# Altium PCB DC-DC_Conv.PcbDoc (part 1 of 3) (continued)
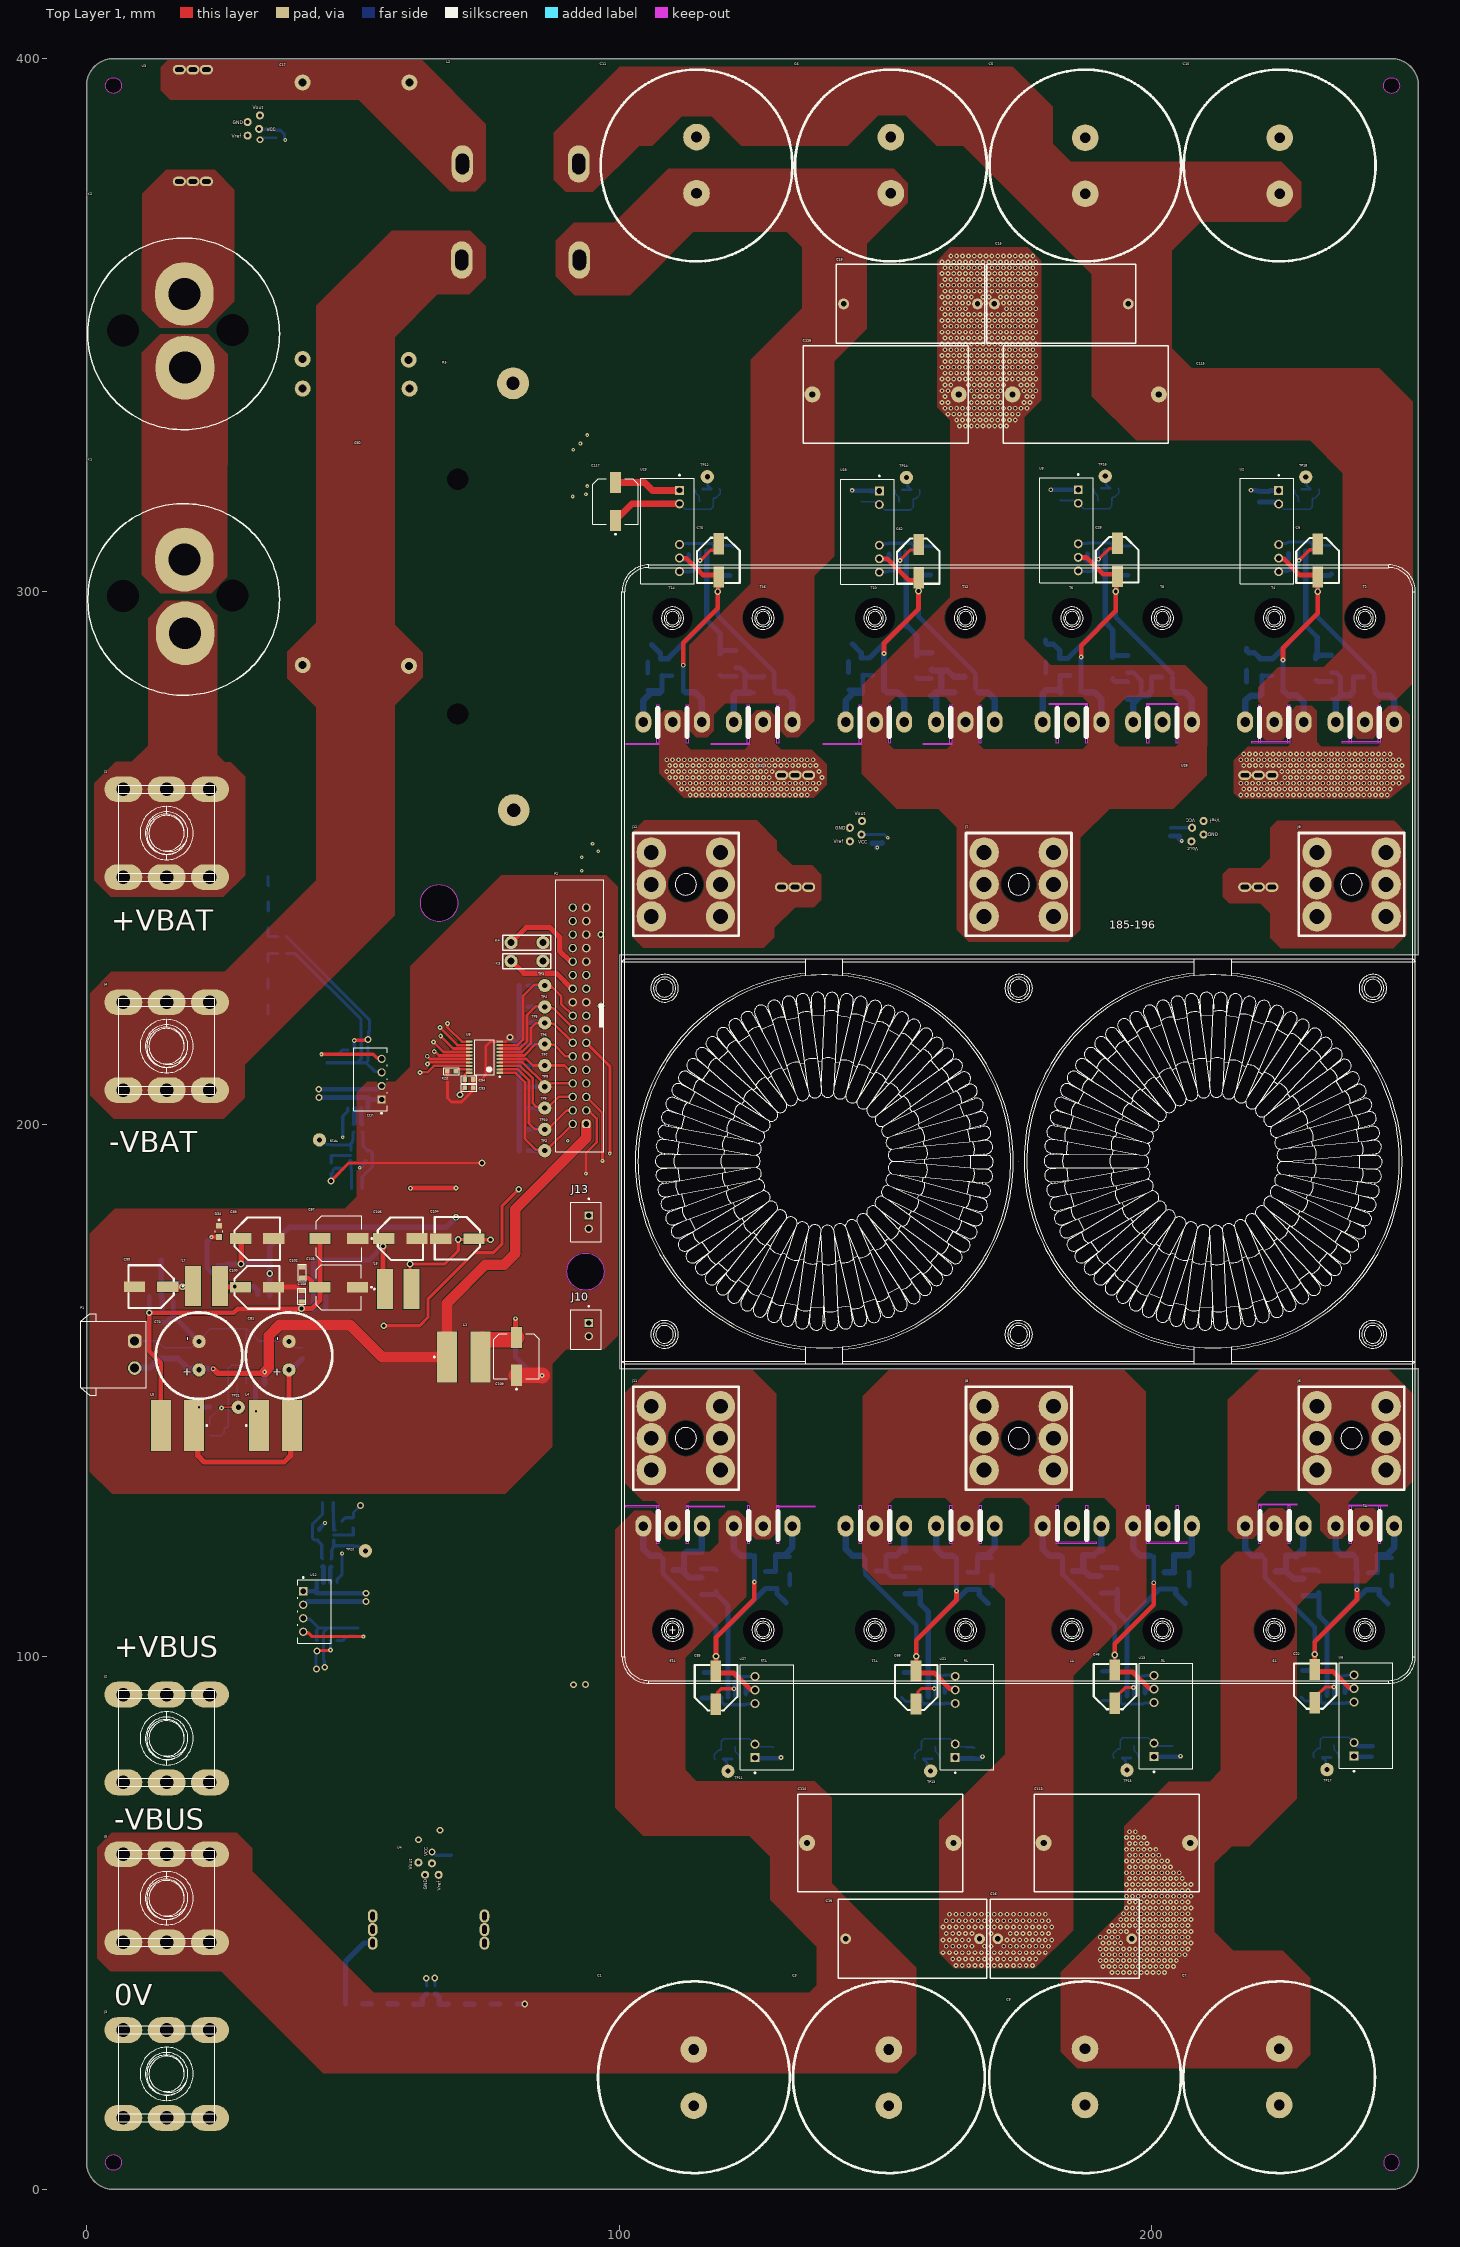
[diagram p0: Top Layer 1 view]
## Components (designator, comment, footprint, x,y, rotation, side; value= is the part's Value field where it differs from the comment)
C1 "550V_470uF" 500V_470uF 114,21 r90 top locked
C2 "0.1uF" CAP-0805 225.625,304.9 r270 bottom
C3 "550V_470uF" 500V_470uF 150.622,21 r90 top locked
C4 "0.01uF" CAP-0805 222.025,317.8 r90 bottom
C5 "550V_470uF" 500V_470uF 187.5,380 r90 top
C6 "550V_470uF" 500V_470uF 151,380 r270 top
C7 "550V_470uF" 500V_470uF 223.901,21 r270 top locked
C8 "550V_470uF" 500V_470uF 187.452,21 r270 top
C9 "100uF_50V" CAP_SMD_Size_E 231.18,305.761 r90 top
C10 "550V_470uF" 500V_470uF 224,380 r90 top
C11 "550V_470uF" 500V_470uF 114.5,380 r270 top locked
C12 "2.2uF" CAP-0805 220.25,317.8 r270 bottom
C13 "16V_47uF" CAP-TAN-C 233.72,306 r90 bottom locked
C14 "0.1uF" CAP-0805 225.65,308.175 r270 bottom
C15 "4.7uF_630V" CAP_4.7uF_630V 183.007,354 r0 top
C16 "4.7uF_630V" CAP_4.7uF_630V 183.642,47 r0 top
C17 "50uF 800V" "Z121578672 77G" 50.55,369.55 r90 top
C18 "4.7uF_630V" CAP_4.7uF_630V 154.686,354 r0 top
C19 "4.7uF_630V" CAP_4.7uF_630V 155.067,47 r0 top
C20 "0.1uF" CAP-0805 236.25,95.45 r90 bottom
C21 "0.01uF" CAP-0805 239.75,82.175 r270 bottom
C22 "100uF_50V" CAP_SMD_Size_E 230.607,94.515 r270 top
C23 "2.2uF" CAP-0805 241.475,82.15 r270 bottom
C24 "16V_47uF" CAP-TAN-C 228.025,95 r270 bottom locked
C25 "0.1uF" CAP-0805 236.25,92.225 r90 bottom
C26 "0.1uF" CAP-0805 187.95,304.675 r270 bottom
C27 "0.01uF" CAP-0805 184.45,318.075 r90 bottom
C28 "100uF_50V" CAP_SMD_Size_E 193.538,305.903 r90 top
C29 "2.2uF" CAP-0805 182.725,318.075 r270 bottom
C30 "16V_47uF" CAP-TAN-C 196.275,306 r90 bottom locked
C31 "0.1uF" CAP-0805 187.925,308.025 r270 bottom
C32 "100nF" CAP-0603 45.135,212.301 r90 bottom
C33 "0.01uF" CAP-0603 46.432,205.776 r90 bottom
C34 "1uF" CAP-0603 46.71,212.301 r90 bottom
C35 "100nF" CAP-0603 50.865,104.582 r270 bottom
C36 "0.01uF" CAP-0603 49.568,111.107 r270 bottom
C37 "1uF" CAP-0603 49.29,104.582 r270 bottom
C38 "2.2uF" CAP-0603 45.035,205.776 r90 bottom
C39 "2.2uF" CAP-0603 50.965,111.107 r270 bottom
C40 "0.01uF" CAP-0603 47.235,198.551 r0 bottom
C41 "0.01uF" CAP-0603 48.765,118.332 r180 bottom
C42 "0.1uF" CAP-0805 198.7,95.425 r90 bottom
C43 "0.01uF" CAP-0805 203.925,82.2 r270 bottom
C44 "2.2uF" CAP-0603 47.235,200.251 r0 bottom
C45 "2.2uF" CAP-0603 48.765,116.632 r180 bottom
C46 "100uF_50V" CAP_SMD_Size_E 193.033,94.415 r270 top
C47 "2.2uF" CAP-0805 202.175,82.2 r90 bottom
C48 "1nF" CAP-0805 50.885,196.801 r180 bottom
C49 "16V_47uF" CAP-TAN-C 190.493,95 r270 bottom locked
C50 "1nF" CAP-0805 45.115,120.082 r0 bottom
C51 "0.1uF" CAP-0805 198.7,92.175 r90 bottom
C52 "10nF" CAP-0805 45.91,191.726 r270 bottom
C53 "10nF" CAP-0805 50.09,125.157 r90 bottom
C54 "4.7nF" CAP-0603 52.285,217.526 r0 bottom
C55 "4.7nF" CAP-0603 43.715,99.357 r180 bottom
C56 "470pF" CAP-0805 45.9,195.05 r90 bottom
C57 "470pF" CAP-0805 50.04,121.807 r270 bottom
C58 "470pF" CAP-0805 50.735,189.701 r0 bottom
C59 "470pF" CAP-0805 45.265,127.182 r180 bottom
C60 "0.1uF" CAP-0805 150.55,304.775 r270 bottom
C61 "0.01uF" CAP-0805 147.1,317.95 r90 bottom
C62 "100uF_50V" CAP_SMD_Size_E 156.195,305.651 r90 top
C63 "2.2uF" CAP-0805 145.375,317.925 r270 bottom
C64 "16V_47uF" CAP-TAN-C 158.735,306 r90 bottom locked
C65 "0.1uF" CAP-0805 150.55,308.075 r270 bottom
C66 "0.1uF" CAP-0805 161.091,95.52 r90 bottom
C67 "0.01uF" CAP-0805 166.6,81.825 r270 bottom
C68 "100uF_50V" CAP_SMD_Size_E 155.702,94.25 r270 top
C69 "2.2uF" CAP-0805 164.875,81.85 r90 bottom
C70 "16V_47uF" CAP-TAN-C 153.025,95 r270 bottom locked
C71 "0.1uF" CAP-0805 161.1,92.25 r90 bottom
C72 "0.1uF" CAP-0805 113.05,304.7 r270 bottom
C73 "0.01uF" CAP-0805 109.6,318.075 r90 bottom
C74 "25V_1000uF" "HITANO 3300uF 25V  16x25" 21.082,156.5 r90 top
C75 "100uF_50V" CAP_SMD_Size_E 118.674,305.785 r90 top
C76 "2.2uF" CAP-0805 107.875,318.05 r270 bottom
C77 "1uF" CAP-0805 14.478,156.976 r270 bottom
C78 "16V_47uF" CAP-TAN-C 121.35,306 r90 bottom locked
C79 "0.1uF" CAP-0805 40.513,156.976 r270 bottom
C80 "0.1uF" CAP-0805 12.775,162.75 r180 bottom
C81 "25V_1000uF" "HITANO 3300uF 25V  16x25" 37.973,156.5 r90 top
C82 "0.1uF" CAP-0805 113.05,307.975 r270 bottom
C83 "0.1uF" CAP-0805 123.725,95.225 r90 bottom
C84 "0.01uF" CAP-0805 127.225,81.925 r270 bottom
C85 "100uF_50V" CAP_SMD_Size_E 118.11,94.221 r270 top
C86 "0.1uF" CAP-0805 26.225,172.725 r90 bottom
C87 "2.2uF" CAP-0805 128.95,81.925 r90 bottom
C88 "0.1uF" CAP-0805 29.9,168.475 r90 bottom
C89 "1000uF 6.3V" CAP_SMD_Size_E 32.075,178.5 r180 top
C90 "16V_47uF" CAP-TAN-C 115.55,95 r270 bottom locked
C91 "0.1uF" CAP-0805 123.725,91.975 r90 bottom
C92 "50uF 800V" "Z121578672 77G" 50.575,312.075 r90 top
C93 "0.01uF" CAP-0603 71.775,206.8 r180 top
C94 "2.2uF" CAP-0603 71.775,208.35 r180 top
C95 "2.2uF" CAP-0603 35.525,385.95 r90 bottom
C96 "0.01uF" CAP-0603 34,385.95 r90 bottom
C97 "1000uF 10V" CAP_SMD_Size_G 47.35,178.5 r180 top
C98 "0.1uF" CAP-0805 26.2,168.55 r90 bottom
C99 "1000uF 6.3V" CAP_SMD_Size_E 12.023,169.425 r0 top
C100 "1000uF 6.3V" CAP_SMD_Size_E 32.025,169.375 r180 top
C101 "0.1uF" CAP-0805 15.2,164.8 r180 bottom
C102 "0.1uF" CAP-0805 40.425,172.125 r270 top
C103 "1000uF 10V" CAP_SMD_Size_G 47.3,169.35 r180 top
C104 "1000uF 6.3V" CAP_SMD_Size_E 69.523,178.475 r0 top
C105 "0.1uF" CAP-0805 68.125,177.275 r90 bottom
C106 "1000uF 6.3V" CAP_SMD_Size_E 58.95,178.5 r180 top
C107 "0.1uF" CAP-0805 43.625,165.225 r180 bottom
C108 "0.1uF" CAP-0805 40.35,167.675 r270 top
C109 "330uF 25V" CAP_SMD_Size_G 80.7,156.375 r90 top
C110 "1uF" CAP-0805 80.525,161.05 r90 bottom
C111 "0.01uF" CAP-0603 66.9,61.9 r90 bottom
C112 "2.2uF" CAP-0603 68.45,61.9 r90 bottom
C113 "5.0uf 900V" "AV C4AE 5.0uf 900V" 193.425,65 r0 top locked
C114 "5.0uf 900V" "AV C4AE 5.0uf 900V" 149,65 r0 top
C115 "5.0uf 900V" "AV C4AE 5.0uf 900V" 187.575,337 r0 top
C116 "5.0uf 900V" "AV C4AE 5.0uf 900V" 150,337 r0 top locked
C117 "330uF 25V" CAP_SMD_Size_G 99.275,316.9 r90 top
C118 "0.01uF" CAP-0603 147.45,253.525 r90 bottom
C119 "2.2uF" CAP-0603 149.35,253.6 r90 bottom
C120 "0.01uF" CAP-0603 205.15,254.85 r90 bottom
C121 "2.2uF" CAP-0603 203.55,254.85 r90 bottom
D1 "US1G" US1G_SMA 230.775,285.4 r270 bottom
D2 "SMBJ15CA-TR" FP-SMB-CA-MFG 240,281 r180 bottom locked
D3 "US1G" US1G_SMA 231.325,114 r90 bottom
D4 "SMBJ15CA-TR" FP-SMB-CA-MFG 223.05,118.975 r0 bottom locked
D5 "US1G" US1G_SMA 245.1,111.175 r90 bottom
D6 "SMBJ15CA-TR" FP-SMB-CA-MFG 240.05,118.975 r0 bottom locked
D7 "US1G" US1G_SMA 192.65,285.675 r270 bottom
D8 "SMBJ15CA-TR" FP-SMB-CA-MFG 202.075,281.025 r180 bottom locked
D9 "US1G" US1G_SMA 180.025,288.825 r270 bottom
D10 "SMBJ15CA-TR" FP-SMB-CA-MFG 185.075,281.025 r180 bottom
D11 "US1G" US1G_SMA 193.475,114.55 r90 bottom
D12 "SMBJ15CA-TR" FP-SMB-CA-MFG 185,119 r0 bottom locked
D13 "US1G" US1G_SMA 207.05,111.2 r90 bottom
D14 "SMBJ15CA-TR" FP-SMB-CA-MFG 202,119 r0 bottom locked
D15 "SS36" SMC/DO214AB 28.505,141.609 r180 bottom
D16 "US1G" US1G_SMA 155.825,285.875 r270 bottom
D17 "SMBJ15CA-TR" FP-SMB-CA-MFG 165.05,281.1 r180 bottom
D18 "US1G" US1G_SMA 217.825,287.25 r270 bottom
D19 "SMBJ15CA-TR" FP-SMB-CA-MFG 223,281 r180 bottom locked
D20 "US1G" US1G_SMA 143,288.9 r270 bottom
D21 "SMBJ15CA-TR" FP-SMB-CA-MFG 148.05,281.1 r180 bottom
D22 "US1G" US1G_SMA 156.525,114.4 r90 bottom
D23 "SMBJ15CA-TR" FP-SMB-CA-MFG 147.95,119 r0 bottom locked
D24 "US1G" US1G_SMA 170,111.2 r90 bottom
D25 "SMBJ15CA-TR" FP-SMB-CA-MFG 164.95,119 r0 bottom locked
D26 "US1G" US1G_SMA 118.925,286.275 r270 bottom
D27 "SMBJ15CA-TR" FP-SMB-CA-MFG 127.35,281 r180 bottom
D28 "US1G" US1G_SMA 105.3,288.8 r270 bottom
D29 "SMBJ15CA-TR" FP-SMB-CA-MFG 110.35,281 r180 bottom
D30 "US1G" US1G_SMA 118.225,114.2 r90 bottom
D31 "SMBJ15CA-TR" FP-SMB-CA-MFG 110,119.175 r0 bottom locked
D32 "US1G" US1G_SMA 132.05,111.375 r90 bottom
D33 "SMBJ15CA-TR" FP-SMB-CA-MFG 127,119.175 r0 bottom locked
D34 "LED_GREEN 0805" LED_GREEN 24.825,179.85 r270 top
J1 "18 * 18MM 180A PCB" "M8 Conn" 15,255 r0 top locked
J2 "18 * 18MM 180A PCB" "M8 Conn" 15,85 r0 top locked
J3 "18 * 18MM 180A PCB" "M8 Conn" 15,22 r0 top locked
J4 "18 * 18MM 180A PCB" "M8 Conn" 15,215 r0 top locked
J5 "18 * 18MM 180A PCB" "M8 Conn" 15,55 r0 top locked
J6 "M5 PCB" M5_Conn 237.5,141 r0 top locked
J7 "M5 PCB" M5_Conn 175,245 r0 top locked
J8 "M5 PCB" M5_Conn 175,141 r0 top locked
J9 "M5 PCB" M5_Conn 237.5,245 r0 top locked
J10 "B2B-XH-A" B2B-XH-A 93.75,161.4 r270 top locked
J11 "M5 PCB" M5_Conn 112.5,141 r0 top locked
J12 "M5 PCB" M5_Conn 112.5,245 r0 top locked
J13 "B2B-XH-A" B2B-XH-A 93.75,181.575 r270 top locked
K1 "SEV30ADXL" Relay_1000VDC_30A 18.96,293.427 r0 top
K2 "SEV30ADXL" Relay_1000VDC_30A 18.95,343.3 r0 top
K3 "Coil_relay" Relay_Coil 82.65,230.6 r180 top
K4 "Coil_relay" Relay_Coil 82.675,234.075 r180 top
L1 "100uH CD105" WE-PD2_1054#1 1340.775,1426.25 r0 top
L2 "t472715-2mh 50A" T47x27x15 89.452,371.267 r90 top
L4 "100uH CD105" WE-PD2_1054#2 35.433,143.387 r0 top
L5 "100uH CD105" WE-PD2_1054#2 17.018,143.387 r180 top
L7 "220uH CD75" WE-PD2_7850 22.479,169.549 r0 top
L8 "220uH CD75" WE-PD2_7850 58.475,169 r0 top
P1 "691305540002" 691305540002 5,156.722 r270 top locked
P2 "61203421621" 61203421621 92.53,220.335 r90 top
R1 "10" RES-1206 233.725,281.45 r90 bottom
R2 "150" RES-0603 227.37,319.223 r180 bottom
R3 "10" RES-1206 233.7,286.4 r90 bottom
R4 "1K" RES-0805 240.775,283.925 r0 bottom
R5 "100" RES_100W_Aluminium 80.048,299.082 r90 top
R6 "10" RES-1206 228.475,117.85 r270 bottom
R7 "10" RES-1206 228.45,113 r270 bottom
R8 "1K" RES-0805 222.275,116.05 r180 bottom
R9 "10" RES-1206 245.025,116.95 r270 bottom
R10 "150" RES-0603 234.417,81.053 r0 bottom
R11 "10" RES-1206 242.375,114.175 r270 bottom
R12 "1K" RES-0805 239.625,115.675 r180 bottom
R13 "10" RES-1206 195.45,281.425 r90 bottom
R14 "10K" RES-0603 118.745,80.759 r0 bottom
R15 "10K" RES-0603 118.039,319.247 r180 bottom
R16 "10K" RES-0603 156.337,80.788 r0 bottom
R17 "10K" RES-0603 155.56,319.113 r180 bottom
R18 "10K" RES-0603 193.668,80.953 r0 bottom
R19 "10K" RES-0603 192.903,319.365 r180 bottom
R20 "10K" RES-0603 231.242,81.053 r0 bottom
R21 "10K" RES-0603 230.545,319.223 r180 bottom
R22 "10K" RES-0603 68.5,209.925 r0 top
R23 "10K" RES-0603 82,195 r0 bottom locked
R24 "10K" RES-0603 82,226 r0 bottom locked
R25 "10K" RES-0603 82,222 r0 bottom locked
R26 "10K" RES-0603 82,219 r0 bottom locked
R27 "10K" RES-0603 82,215 r0 bottom locked
R28 "10K" RES-0603 82,211 r0 bottom locked
R29 "10K" RES-0603 82,207 r0 bottom locked
R30 "10K" RES-0603 82,203 r0 bottom locked
R31 "10K" RES-0603 82,199 r0 bottom locked
R32 "200K" RES-1206 34.05,248.025 r90 bottom
R33 "200K" RES-1206 50.175,34.825 r180 bottom
R34 "10" RES-1206 195.475,286.375 r90 bottom
R35 "1K" RES-0805 202.85,283.95 r0 bottom
R36 "10" RES-1206 180.1,283.05 r90 bottom
R37 "200K" RES-1206 34.075,243.25 r90 bottom
R38 "200K" RES-1206 55,34.775 r180 bottom
R39 "150" RES-0603 189.728,319.365 r180 bottom
R40 "200K" RES-1206 34.05,238.45 r90 bottom
R41 "200K" RES-1206 59.825,34.725 r180 bottom
R42 "10K" RES-0603 50.135,199.276 r90 bottom
R43 "10K" RES-0603 45.865,117.607 r270 bottom
R44 "100" RES-0603 48.86,191.501 r0 bottom
R45 "100" RES-0603 47.14,125.382 r180 bottom
R46 "100" RES-0603 36.7,235.225 r180 bottom
R47 "100" RES-0603 63.825,37.425 r270 bottom
R48 "2.4K" RES-1206 34.025,233.65 r90 bottom
R49 "2.4K" RES-1206 64.65,34.725 r180 bottom
R50 "10K" RES-0603 51.71,199.276 r90 bottom
R51 "10K" RES-0603 44.29,117.607 r270 bottom
R52 "10K" RES-0805 47.685,195.076 r90 bottom
R53 "10K" RES-0805 48.315,121.807 r270 bottom
R54 "100" RES-0603 36.7,232 r180 bottom
R55 "100" RES-0603 65.4,37.425 r270 bottom
R56 "200K" RES-1206 34,228.85 r90 bottom
R57 "200K" RES-1206 69.45,34.725 r180 bottom
R58 "10K" RES-0805 50.71,187.951 r0 bottom
R59 "10K" RES-0805 45.29,128.932 r180 bottom
R60 "200K" RES-1206 34,223.975 r90 bottom
R61 "200K" RES-1206 74.3,34.75 r180 bottom
R62 "200K" RES-1206 33.975,219.125 r90 bottom
R63 "200K" RES-1206 79.125,34.75 r180 bottom
R64 "10" RES-1206 182.75,285.825 r90 bottom
R65 "1K" RES-0805 185.625,284.2 r0 bottom
R66 "10" RES-1206 190.65,118.325 r270 bottom
R67 "10" RES-1206 190.55,113.525 r270 bottom
R68 "1K" RES-0805 184.225,116.075 r180 bottom locked
R69 "10" RES-1206 206.95,117.45 r270 bottom
R70 "150" RES-0603 196.843,80.953 r0 bottom
R71 "10" RES-1206 204.2,114.275 r270 bottom
R72 "1K" RES-0805 201.45,115.825 r180 bottom
R73 "10" RES-1206 158.575,282.025 r90 bottom
R74 "10" RES-1206 158.65,286.875 r90 bottom
R75 "1K" RES-0805 165.825,284.025 r0 bottom
R76 "11K" RES-0805 23.114,145.927 r90 bottom
R77 "2K" RES-0805 23.114,142.498 r90 bottom
R78 "10" RES-1206 143.075,283.125 r90 bottom
R79 "150" RES-0603 152.385,319.113 r180 bottom
R80 "10" RES-1206 145.725,285.9 r90 bottom
R81 "1K" RES-0805 148.6,284.275 r0 bottom
R82 "10" RES-1206 217.75,281.35 r90 bottom
R83 "10" RES-1206 220.675,285.8 r90 bottom
R84 "1K" RES-0805 223.55,284.175 r0 bottom
R85 "10" RES-1206 153.675,118.25 r270 bottom
R86 "10" RES-1206 153.675,113.375 r270 bottom
R87 "1K" RES-0805 147.175,116.075 r180 bottom
R88 "10" RES-1206 169.925,116.975 r270 bottom
R89 "150" RES-0603 159.512,80.788 r0 bottom
R90 "10" RES-1206 167.275,114.2 r270 bottom
R91 "1K" RES-0805 164.4,115.825 r180 bottom
R92 "10" RES-1206 121.9,282.45 r90 bottom
R93 "10" RES-1206 121.9,287.325 r90 bottom
R94 "1K" RES-0805 128.05,284.125 r0 bottom
R95 "10" RES-1206 105.375,283.025 r90 bottom
R96 "150" RES-0603 114.864,319.247 r180 bottom
R97 "10" RES-1206 108.025,285.8 r90 bottom
R98 "1K" RES-0805 110.9,284.175 r0 bottom
R99 "10" RES-1206 115.425,118.075 r270 bottom
R100 "10" RES-1206 115.425,113.25 r270 bottom
R101 "1K" RES-0805 109.225,116.25 r180 bottom
R102 "10" RES-1206 131.975,117.15 r270 bottom
R103 "150" RES-0603 121.92,80.759 r0 bottom
R104 "10" RES-1206 129.325,114.375 r270 bottom
R105 "1K" RES-0805 126.45,116 r180 bottom
R106 "220" RES-0603 24.475,172.8 r90 bottom
T1 "C3M0022120D" TO-247-3(BEND2) 240,105 r180 top locked
T2 "C3M0022120D" TO-247-3(BEND2) 240,295 r0 top locked
T3 "C3M0022120D" TO-247-3(BEND2) 223,105 r180 top locked
T4 "C3M0022120D" TO-247-3(BEND2) 223,295 r0 top locked
T5 "C3M0022120D" TO-247-3(BEND2) 202,105 r180 top locked
T6 "C3M0022120D" TO-247-3(BEND2) 185,295 r0 top locked
T7 "C3M0022120D" TO-247-3(BEND2) 185,105 r180 top locked
T8 "C3M0022120D" TO-247-3(BEND2) 202,295 r0 top locked
T9 "C3M0022120D" TO-247-3(BEND2) 165,105 r180 top locked
T10 "C3M0022120D" TO-247-3(BEND2) 148,295 r0 top locked
T11 "C3M0022120D" TO-247-3(BEND2) 148,105 r180 top locked
T12 "C3M0022120D" TO-247-3(BEND2) 165,295 r0 top locked
T13 "C3M0022120D" TO-247-3(BEND2) 127,105 r180 top locked
T14 "C3M0022120D" TO-247-3(BEND2) 110,295 r0 top
T15 "C3M0022120D" TO-247-3(BEND2) 110,105 r180 top locked
T16 "C3M0022120D" TO-247-3(BEND2) 127,295 r0 top locked
TP2 "Test_Point_PCB" Test_Point#1 86.725,193.75 r0 top
TP3 "Test_Point_PCB" Test_Point#2 85.094,226.475 r0 top
TP4 "Test_Point_PCB" Test_Point#3 86.923,222.4 r0 top
TP5 "Test_Point_PCB" Test_Point#4 87.302,218.325 r0 top
TP6 "Test_Point_PCB" Test_Point#5 87.127,214.95 r0 top
TP7 "Test_Point_PCB" Test_Point#6 86.954,210.9 r0 top
TP8 "Test_Point_PCB" Test_Point#7 86.625,206.65 r0 top
TP9 "Test_Point_PCB" Test_Point#8 86.7,203.25 r0 top
TP10 "Test_Point_PCB" Test_Point#9 86.625,199.825 r90 top
TP11 "Test_Point_PCB" Test_Point#10 120.396,78.473 r270 top
TP12 "Test_Point_PCB" Test_Point#10 116.525,321.55 r90 top
TP13 "Test_Point_PCB" Test_Point#10 158.463,78.502 r270 top
TP14 "Test_Point_PCB" Test_Point#10 153.909,321.399 r90 top
TP15 "Test_Point_PCB" Test_Point#10 195.319,78.667 r270 top
TP16 "Test_Point_PCB" Test_Point#10 191.252,321.651 r90 top
TP17 "Test_Point_PCB" Test_Point#10 232.893,78.767 r270 top
TP18 "Test_Point_PCB" Test_Point#10 228.894,321.509 r90 top
TP19 "Test_Point_PCB" Test_Point#10 43.685,197.026 r270 top
TP20 "Test_Point_PCB" Test_Point#10 52.315,119.857 r90 top
TP21 "" Test_Point#10 28.448,146.816 r90 top
U1 "TLP5754" SO6L_TOS 228.894,312.238 r270 bottom
U2 "MGJ2D121505SC" FP-MGJ2D121505SC-MFG 221.584,311.349 r270 top
U3 "STK-PL50A" STK-PL50A 19.925,387.5 r0 top
U4 "STK-PL50A" STK-PL50A 64.175,48.735 r90 top
U5 "TLP5754" SO6L_TOS 232.893,88.038 r90 bottom
U6 "MGJ2D121505SC" FP-MGJ2D121505SC-MFG 240.203,88.927 r90 top
U7 "TLP5754" SO6L_TOS 191.252,312.38 r270 bottom
U8 "SN74LVC541APWR" PW0020A_L 74.7,212.55 r180 top
U9 "MGJ2D121505SC" FP-MGJ2D121505SC-MFG 183.942,311.491 r270 top
U10 "TLP5754" SO6L_TOS 195.319,87.938 r90 bottom
U11 "B0505S-1W" B0505S-1W 53.26,208.426 r90 top
U12 "B0505S-1W" B0505S-1W 42.74,108.457 r270 top
U13 "MGJ2D121505SC" FP-MGJ2D121505SC-MFG 202.629,88.827 r90 top
U14 "OPA320AIDBVT" DBV0005A_M 51.085,194.076 r0 bottom
U15 "AMC1311B" FP-DWV0008A-MFG 50.9,208.425 r270 bottom
U16 "OPA320AIDBVT" DBV0005A_M 44.915,122.807 r180 bottom
U17 "AMC1311B" FP-DWV0008A-MFG 45.1,108.458 r90 bottom
U18 "TLP5754" SO6L_TOS 153.909,312.128 r270 bottom
U19 "MGJ2D121505SC" FP-MGJ2D121505SC-MFG 146.599,311.239 r270 top
U20 "TLP5754" SO6L_TOS 157.988,87.773 r90 bottom
U21 "MGJ2D121505SC" FP-MGJ2D121505SC-MFG 165.298,88.662 r90 top
U22 "TLP5754" SO6L_TOS 116.388,312.262 r270 bottom
U23 "MGJ2D121505SC" FP-MGJ2D121505SC-MFG 109.078,311.373 r270 top
U24 "LM2576HVS-ADJ" ON_Semiconductor_936A-02_MFG 29.972,157.738 r180 bottom
U25 "TLP5754" SO6L_TOS 120.396,87.744 r90 bottom
U26 "AMS1117-3v3" SOT-223-3 34.375,170.749 r180 bottom
U27 "MGJ2D121505SC" FP-MGJ2D121505SC-MFG 127.706,88.633 r90 top
U28 "STK-PL50A" STK-PL50A 220,255 r180 top locked
U29 "AMS1117-5V1" SOT-223 14,171 r180 bottom
U30 "AMS1117-5V1" SOT-223 42.64,171.07 r180 bottom
U31 "STK-PL50A" STK-PL50A 133,255 r0 top locked

## Footprints (in the part's own frame and the unit in brackets; to place one, negate y for a bottom-side part, rotate by r counter-clockwise, add the part's x,y. Pads: shape width x height; smd on the part's side, far side on the other; paste and mask are expansions set on the pad)
500V_470uF [mm]
  round 5 hole 2: 1(-5.334,0) 2(5.207,0)
  silkscreen extent -18,-18 18,18, body extent -17.6,-17.6 17.61,17.61, height 59.97
61203421621 [mm] "34 pins, straight, gold plating"
  rrect50% 1.6x1.6 hole 1.1: 1(-20.32,-1.27)
  round 1.6 hole 1.1: 2(-20.32,1.27) 3(-17.78,-1.27) 4(-17.78,1.27) 5(-15.24,-1.27) 6(-15.24,1.27) 7(-12.7,-1.27) 8(-12.7,1.27) 9(-10.16,-1.27) 10(-10.16,1.27) 11(-7.62,-1.27) 12(-7.62,1.27) 13(-5.08,-1.27) 14(-5.08,1.27) 15(-2.54,-1.27) 16(-2.54,1.27) 17(0,-1.27) 18(0,1.27) 19(2.54,-1.27) 20(2.54,1.27) 21(5.08,-1.27) 22(5.08,1.27) 23(7.62,-1.27) 24(7.62,1.27) 25(10.16,-1.27) 26(10.16,1.27) 27(12.7,-1.27) 28(12.7,1.27) 29(15.24,-1.27) 30(15.24,1.27) 31(17.78,-1.27) 32(17.78,1.27) 33(20.32,-1.27) 34(20.32,1.27)
  silkscreen extent -25.52,-4.5 25.52,4.5, body extent -25.42,-4.42 25.42,4.75, height 9.13
691305540002 [mm] "5,08mm - PCB Header Horizontal Entry with Plastic Latches - 02p"
  rrect50% 2.55x2.55 hole 1.7: 1(-2.54,4)
  round 2.55 hole 1.7: 2(2.54,4)
  silkscreen extent -7.65,-6.15 7.65,6.15, body extent -7.48,-6 7.48,6, height 8.63
"AV C4AE 5.0uf 900V" [mm] "AV C4AE 5.0uf 900V"
  round 3 hole 1.2: 1(-13.75,0) 2(13.75,0)
  silkscreen extent -15.49,-9.14 15.49,9.14, body extent -15.5,-9.2 15.5,9.2, height 28.41
B2B-XH-A [mm]
  rect 1.55x1.55 hole 1 paste-2539.97 mask+0: 1(-1.25,0.525)
  round 1.55 hole 1 paste-2539.97 mask+0: 2(1.25,0.525)
  silkscreen extent -4.5,-2.88 3.7,2.88, body extent -3.8,-2.98 3.8,2.98, height 0.25
B0505S-1W [mm]
  rect 1.55x1.55 hole 1 paste-2539.97 mask+0: 1(-3.81,-2.1)
  round 1.55 hole 1 paste-2539.97 mask+0: 2(-1.27,-2.1) 3(1.27,-2.1) 4(3.81,-2.1)
  silkscreen extent -6.52,-3.13 5.92,3.13, body extent -6.02,-3.22 6.02,3.22, height 0.25
CAP-0603 [mm]
  rect 0.85x0.9 smd: 1(-0.775,0) 2(0.775,0)
  silkscreen extent -1.43,-0.67 1.43,0.67, body extent -0.8,-0.4 0.8,0.4, height 0.8
CAP-0805 [mm]
  rect 0.8x1.25 smd mask+0.015: 1(-1,0) 2(1,0)
  silkscreen extent -1.52,-0.76 1.52,0.76, body extent -1,-0.62 1,0.63, height 0.8
CAP-TAN-C [mm]
  rect 2.3x2.3 smd: 1(-2.7,0) 2(2.7,0)
  silkscreen extent -3.8,-1.9 3,1.9, body extent -2.9,-1.6 2.9,1.6, height 2.6
CAP_4.7uF_630V [mil]
  round 80 hole 40: 1(-495,0) 2(495,0)
  silkscreen extent -550,-292 550,292, body extent -527,-289 527,289, height 1242
CAP_SMD_Size_E [mm]
  rect 4x2 smd: 1(3.175,0) 2(-3.048,0)
  silkscreen extent -4.19,-3.94 4.32,4.06, body extent -4.25,-4 4.25,4, height 10.59
CAP_SMD_Size_G [mm]
  rect 4x2 smd paste+0 mask+0: 1(3.55,0) 2(-3.55,0)
  silkscreen extent -6.28,-4.25 4.25,4.25, body extent -5.8,-4.5 5.8,4.5, height 0.25
DBV0005A_M [mm] "SOT23, 5-Leads, Body 3.05x1.75mm, Pitch 0.95mm, IPC Low Density"
  rrect15% 1.2x0.65 smd: 1(-1.475,0.95) 2(-1.475,0) 3(-1.475,-0.95) 4(1.475,-0.95) 5(1.475,0.95)
  silkscreen extent -1.6,-1.55 0.5,1.95, body extent -1.42,-1.46 1.42,1.46, height 1.08
FP-DWV0008A-MFG [mm]
  rect 1.8x0.6 smd paste+0 mask+0: 1(-5.45,1.905) 2(-5.45,0.635) 3(-5.45,-0.635) 4(-5.45,-1.905) 5(5.45,-1.905) 6(5.45,-0.635) 7(5.45,0.635) 8(5.45,1.905)
  silkscreen extent -7.1,-2.98 3.8,2.98, body extent -5.75,-2.93 5.75,2.93, height 2.8
FP-MGJ2D121505SC-MFG [mm]
  rect 1.675x1.675 hole 1.075 paste-2539.97 mask+0: 1(-7.62,2.23)
  round 1.675 hole 1.075 paste-2539.97 mask+0: 2(-5.08,2.23) 5(2.54,2.23) 6(5.08,2.23) 7(7.62,2.23)
  silkscreen extent -10.6,-5.02 9.87,5.02, body extent -9.97,-5.13 9.97,5.13, height 0.25
FP-SMB-CA-MFG [mm]
  rect 2.5x2.3 smd paste+0 mask+0: 1(-2.15,0) 2(2.15,0)
  silkscreen extent -2.28,-1.97 2.28,1.97, body extent -2.65,-1.81 2.65,1.81, height 2.5
"HITANO 3300uF 25V  16x25" [mm]
  round 2.5 hole 1: 1(-2.667,0) 2(2.667,0)
  silkscreen extent -8.12,-8.12 8.12,8.12, body extent -8.15,-8.14 8.16,8.16, height 25.87
LED_GREEN [mm]
  rect 1.1x1.2 smd paste+0 mask+0: 1(1.05,0) 2(-1.05,0)
  silkscreen extent -2.27,-0.67 0.13,0.67, body extent -1,-0.63 1,0.63, height 0.8
M5_Conn [mm]
  round 1.524 hole 6.5: 0(0,0)
  oval 5.5x5.7 hole 2.8: 1(-6.5,-6) 1(-6.5,0) 1(-6.5,6) 1(6.5,-6) 1(6.5,0) 1(6.5,6)
  silkscreen extent -9.91,-9.65 9.91,9.65, body extent -7.25,-7.1 7.25,7.1, height 5.5
"M8 Conn" [mil] "M8 Conn"
  oval 280x190 hole 100: 1(-320,-340) 1(-320,310) 1(0,-340) 1(0,310) 1(320,-340) 1(320,310)
  silkscreen extent -355,-369 354,340, body extent -355,-369 354,340, height 500
ON_Semiconductor_936A-02_MFG [mm]
  rect 1.016x3.05 smd paste+0 mask+0: 1(-3.404,-6.485) 2(-1.702,-6.485) 3(0,-6.485) 4(1.702,-6.485) 5(3.404,-6.485)
  rect 10.66x8.38 smd paste+0 mask+0: 6(0,3.82)
  silkscreen extent -5.12,-8.72 5.12,-0.75, body extent -5.01,-7.11 5.01,7.14, height 4.83
PW0020A_L [mm] "SOP, 20-Leads, Body 6.6x4.5mm, Pitch 0.65mm, IPC High Density"
  rrect25% 1.2x0.4 smd: 1(-2.85,2.925) 2(-2.85,2.275) 3(-2.85,1.625) 4(-2.85,0.975) 5(-2.85,0.325) 6(-2.85,-0.325) 7(-2.85,-0.975) 8(-2.85,-1.625) 9(-2.85,-2.275) 10(-2.85,-2.925) 11(2.85,-2.925) 12(2.85,-2.275) 13(2.85,-1.625) 14(2.85,-0.975) 15(2.85,-0.325) 16(2.85,0.325) 17(2.85,0.975) 18(2.85,1.625) 19(2.85,2.275) 20(2.85,2.925)
  silkscreen extent -2.98,-3.3 1.85,3.8, body extent -3.21,-3.25 3.21,3.25, height 1
Relay_1000VDC_30A [mm] "Relay_1000VDC_30A"
  round 4 hole 6: 0(-12.192,5.715) 0(8.382,5.842)
  oval 11x12 hole 6: 1(-0.635,12.573) 2(-0.508,-1.27)
  silkscreen extent -18.76,-12.92 17.24,23.08, body extent -17.24,-19.09 16.26,30.52, height 52
Relay_Coil [mm]
  round 2.5 hole 1.3: 3(-3,0) 4(3,0)
  silkscreen extent -4.44,-1.4 4.57,1.4
RES-0603 [mm]
  rect 0.85x0.9 smd: 1(-0.775,0) 2(0.775,0)
  silkscreen extent -1.43,-0.67 1.43,0.67, body extent -0.85,-0.45 0.85,0.45, height 0.55
RES-0805 [mm]
  rect 0.8x1.25 smd mask+0.015: 1(-1,0) 2(1,0)
  silkscreen extent -1.52,-0.76 1.52,0.76, body extent -1,-0.62 1,0.63, height 0.6
RES-1206 [mm]
  rect 1x1.6 smd: 1(-1.6,0) 2(1.6,0)
  silkscreen extent -2.29,-1.02 2.29,1.02, body extent -1.6,-0.8 1.6,0.8, height 0.6
RES_100W_Aluminium [mm]
  round 3 hole 4: 0(-22.098,10.414) 0(21.971,10.414)
  round 6 hole 2.5: 1(-40.132,-0.127) 2(40.005,0)
  body extent -43.07,-7.58 42.93,13.42, height 15.36
SMC/DO214AB [mm]
  rect 1.52x3.2 smd: 1(-3.105,0) 2(3.105,0)
  silkscreen extent -3.6,-3.15 3.6,3.15, body extent -3.77,-3.11 3.77,3.11, height 2.62
SO6L_TOS [mil] "SO6L_TOS"
  rect 60x21 smd paste+0 mask+0: 1(-185,50) 2(-185,0) 3(-185,-50) 4(185,-50) 5(185,0) 6(185,50)
  silkscreen extent -153,-81 153,81, body extent -201,-76 201,76, height 87
SOT-223 [mm]
  rect 1.2x2.6 smd paste+0 mask+0: 1(-2.29,-3.395)
  rrect100% 1.2x2.6 smd paste+0 mask+0: 2(0,-3.395) 3(2.29,-3.395)
  rrect59% 4x2.2 smd paste+0 mask+0: 2(0,3.395)
  silkscreen extent -3.63,-3.52 3.25,1.75, body extent -3.25,-3.53 3.25,3.53, height 1.8
SOT-223-3 [mm]
  rect 0.95x1.9 smd: 1(-2.3,-3.05) 2(0,-3.05) 3(2.3,-3.05)
  rect 3.25x1.9 smd: 2(0,3.05)
  silkscreen extent -3.3,-4.2 3.3,4.2, body extent -3.25,-3.5 3.25,3.5, height 1.7
STK-PL50A [mm] "STK-PL50A"
  round 1.524 hole 0.762: 1(10.287,-1.905) 2(12.573,1.905) 3(10.287,0.635) 4(12.446,-0.635)
  oval 2.5x1.8 hole 0.8 slot 1.6 at 0 deg: 5(2.54,10.5) 6(0,10.5) 7(-2.54,10.5) 8(-2.54,-10.5) 9(0,-10.5) 10(2.54,-10.5)
  body extent -7.07,-10.77 14.53,10.83, height 14.8
T47x27x15 [mm] "T47x27x15"
  oval 7x4 hole 2.5 slot 3.9 at 0 deg: 1(-9.017,19.05) 2(-9.017,-3.048) 3(9.017,18.923) 4(9.017,-2.921)
  body extent -27.5,-7.07 27.31,22.07, height 50.02
Test_Point#1 [mm]
  round 2.5 hole 0.95: 1(-0.725,1.25)
Test_Point#2 [mm]
  round 2.5 hole 0.95: 1(0.906,-0.475)
Test_Point#3 [mm]
  round 2.5 hole 0.95: 1(-0.923,-0.4)
Test_Point#4 [mm]
  round 2.5 hole 0.95: 1(-1.302,0.675)
Test_Point#5 [mm]
  round 2.5 hole 0.95: 1(-1.127,0.05)
Test_Point#6 [mm]
  round 2.5 hole 0.95: 1(-0.954,0.1)
Test_Point#7 [mm]
  round 2.5 hole 0.95: 1(-0.625,0.35)
Test_Point#8 [mm]
  round 2.5 hole 0.95: 1(-0.7,-0.25)
Test_Point#9 [mm]
  round 2.5 hole 0.95: 1(-0.825,0.625)
Test_Point#10 [mm]
  round 2.5 hole 0.95: 1(0,0)
TO-247-3(BEND2) [mm] "TO-247-3(BEND2)"
  round 1.524 hole 7.5: 0(0,0)
  oval 3x4 hole 1.8: 1(-5.5,-19.5) 2(0,-19.5) 3(5.5,-19.5)
  silkscreen extent -2.79,-22.22 2.71,-17.02, body extent -7.75,-19.9 7.75,5.5, height 1.9
US1G_SMA [mm]
  rect 2.5x1.7 smd paste+0 mask+0: 1(-2,0) 2(2,0)
  silkscreen extent -3.92,-1.46 2.3,1.46, body extent -2.6,-1.3 2.6,1.3, height 2.4
WE-PD2_1054#1 [mm] "SMD Power Inductor, 2-Leads, body 10x9mm"
  rect 3.75x9.5 smd: 1(-1273.125,-1270) 2(-1266.875,-1270)
  silkscreen extent -1275.62,-1270.12 -1275.37,-1269.88, body extent -1275.04,-1274.5 -1264.96,-1265.5, height 5.43
WE-PD2_1054#2 [mm] "SMD Power Inductor, 2-Leads, body 10x9mm"
  rect 3.75x9.5 smd: 1(-3.125,0) 2(3.125,0)
  silkscreen extent -5.62,-0.12 -5.37,0.12, body extent -5.04,-4.5 5.04,4.5, height 5.43
WE-PD2_7850 [mm] "SMD Power Inductor, 2-Leads, body 7.8x7mm"
  rect 3x7.5 smd: 1(-2.5,0) 2(2.5,0)
  silkscreen extent -4.59,-0.12 -4.34,0.12, body extent -3.81,-3.5 3.81,3.5, height 4.95
"Z121578672 77G" [mm] "Z121578672 77G"
  round 3 hole 1.5: 1(-26.035,-9.906) 1(-25.908,10.033) 2(26.035,-10.033) 2(26.035,10.033)
  body extent -28.5,-14.5 28.5,14.5, height 47.01

## Part data
C1 C3 C5 C6 C7 C8 C10 C11: library part CAP_POL_LOW_IMP
C2 C14 C20 C25 C26 C31 C42 C51 C60 C65 C66 C71 C72 C82 C83 C91: library part CAP-NON-POLAR, "0.1uF X7R"
C4 C21 C27 C43 C61 C67 C73 C84: library part CAP-NON-POLAR, "0.01uF X7R"
C9 C13 C22 C24 C28 C30 C46 C49 C62 C64 C68 C70 C75 C78 C85 C90: library part CAP_POL_SMD
C12 C16 C18 C19 C23 C29 C32 C33 C34 C35 C36 C37 C38 C39 C40 C41 C44 C45 C47 C48 C50 C52 C53 C54 C55 C56 C57 C58 C59 C63 C69 C76 C77 C79 C80 C86 C87 C88 C93 C94 C95 C96 C98 C101 C102 C105 C107 C108 C110 C111 C112 C118 C119 C120 C121: library part CAP-NON-POLAR
C15: library part CAP-NON-POLAR, "4.7uF_630V   CBB21"
C17 C92: library part CAP-NON-POLAR, "Z121578672 77G   /  EPCOS 77G / 50UF 800V"
C74 C81 C89 C97 C99 C100 C103 C104 C106 C109 C117: library part CAP-POLAR
C113 C114 C115 C116: library part CAP-NON-POLAR, "C4AE 5.0uf 900V"
D15: library part SS36_Schottky
D34: library part LED, Manufacturer_Name="Wurth Elektronik", Manufacturer_Part_Number=151031YS06000, Mouser Part Number=710-151031YS06000, Datasheet Link=https://katalog.we-online.de/led/datasheet/151031YS06000.pdf, Geometry.Height=5.5mm, Mouser Price/Stock=https://www.mouser.co.uk/ProductDetail/Wurth-Elektronik/151031YS06000?qs=LlUlMxKIyB3xSYYW%252BcuBiQ%3D%3D
J1 J2 J3 J4 J5: library part Klema_15_A, "18 * 18MM 180A PCB High Current Solder Terminal Copper Terminal Fastener M8 Nut"
J6 J7 J8 J9 J11 J12: library part Klema_15_A
K1 K2: library part Relay, "5-1000V 30A DC Contactor Power Relay SEV30ADXL Coil 12V"
L1: library part CMP-0227-00501-2, Ambient Temperature Range High=85°C, Ambient Temperature Range Low=-40°C, Current Rating=620mA, DC Resistance (DCR)=500mΩ, Inductance=270µH, Max Operating Temperature=125°C, Self Resonant Frequency=4MHz, Height=5.4mm, Length=9mm, Min Operating Temperature=-40°C, NexarPartId=24533346, Packaging=Digi-Reel®, RoHS=Compliant, Width=10mm
L2: library part Drossel_Synphaze
L4 L5: library part 744776122, Case/Size Code=1054, DC Resistance=0.051Ω, DC Resistance Max=0.1Ω, Inductance=22µH, Manufacturer="Wurth Elektronik", Operating Temperature Max=125°C, Operating Temperature Min=-40°C, Rated Current=2.04A, Saturation Current=2.07A, Self Resonant Frequency=16MHz, Category="Unshielded Power Inductors", ComponentLink1Description="Website Link", ComponentLink1URL=https://www.we-online.com/redexpert/article/744776122?ad, ComponentLink2Description="Datasheet Link", ComponentLink2URL=https://www.we-online.com/redexpert/spec/744776122?ad, Height=5.4mm, Length=10mm, Manufacturer Part Number=744776122, Match Code=WE-PD2, Mount="Surface Mount", Packaging="Tape and Reel", Width=9mm, Simulation ModelName=1054_744776122_22u, Simulation ModelText=".subckt 1054_744776122_22u 1 2 / Rp 1 2 22000 / Cp 1 2 4.3p / Rs 1 N3 0.0511 / L1 N3 2 22u / .ends 1054_744776122_22u", Simulation PortMap=(1:1),(2:2)
L7 L8: library part 74477530, Case/Size Code=7850, DC Resistance=2.78Ω, DC Resistance Max=3.3Ω, Inductance=1000µH, Manufacturer="Wurth Elektronik", Operating Temperature Max=125°C, Operating Temperature Min=-40°C, Rated Current=0.3A, Self Resonant Frequency=2.4MHz, Category="Unshielded Power Inductors", ComponentLink1Description="Website Link", ComponentLink1URL=https://www.we-online.com/redexpert/article/74477530?ad, ComponentLink2Description="Datasheet Link", ComponentLink2URL=https://www.we-online.com/redexpert/spec/74477530?ad, Height=4.95mm, Length=7.8mm, Manufacturer Part Number=74477530, Match Code=WE-PD2, Mount="Surface Mount", Packaging="Tape and Reel", Saturation Current=0.3A, Width=7mm, Simulation ModelName=7850_74477530_1m, Simulation ModelText=".subckt 7850_74477530_1m 1 2 / Rp 1 2 187304.915771 / Cp 1 2 4.36976277949p / Rs 1 N3 3.3 / L1 N3 2 1000u / .ends 7850_74477530_1m", Simulation PortMap=(1:1),(2:2)
P1: "WR-TBL Series 3055 PCB Header Horizontal Entry with Plastic Latches, THT, pitch 5.08mm, 2p", Manufacturer="Wurth Elektronik", Operating Temperature Max=105°C, Operating Temperature Min=-40°C, Rated Current=16A, Working Voltage=300V, Application=Pluggable, Category="Terminal Blocks", ComponentLink1Description="Website Link", ComponentLink1URL=https://www.we-online.com/redexpert/article/691305540002?ad, ComponentLink2Description="Datasheet Link", ComponentLink2URL=https://www.we-online.com/redexpert/spec/691305540002?ad, Manufacturer Part Number=691305540002, Match Code=WR-TBL, Modularity=No, Mount="Through Hole", Number of Pins=2, Number of Rows=1, Orientation=Horizontal, Packaging=Box, Pitch=5.08mm
P2: "WR-BHD Male Box Header, THT Straight, pitch 2.54 mm, 2 Rows, 34 Pins", Contact Resistance="20 mΩ", Insulation Resistance="1000 MΩ", Manufacturer="Wurth Elektronik", Max Operating Temperature="105 °C", Min Operating Temperature="-40 °C", Rated Current="3 A", Withstanding Voltage="500 V", Working Voltage="250 V", Category="Wire-to-Board Connector", ComponentLink1Description="Website Link", ComponentLink1URL=https://www.we-online.com/redexpert/article/61203421621?ad, ComponentLink2Description="Datasheet Link", ComponentLink2URL=https://www.we-online.com/redexpert/spec/61203421621?ad, Connectors.Match Code=WR-BHD, Gender=Male, Height="9.1 mm", Length="50.84 mm", Manufacturer Part Number=61203421621, Mount="Through Hole", Number of Pins=34, Number of Rows=2, Orientation=Straight, Packaging=Tray, Pitch="2.54 mm", Width="9.1 mm"
R1 R2 R3 R4 R6 R7 R8 R9 R10 R11 R12 R13 R14 R15 R16 R17 R18 R19 R20 R21 R22 R23 R24 R25 R26 R27 R28 R29 R30 R31 R32 R33 R34 R35 R36 R37 R38 R39 R40 R41 R42 R43 R44 R45 R46 R47 R48 R49 R50 R51 R52 R53 R54 R55 R56 R57 R58 R59 R60 R61 R62 R63 R64 R65 R66 R67 R68 R69 R70 R71 R72 R73 R74 R75 R76 R77 R78 R79 R80 R81 R82 R83 R84 R85 R86 R87 R88 R89 R90 R91 R92 R93 R94 R95 R96 R97 R98 R99 R100 R101 R102 R103 R104 R105 R106: library part RES-CONST
R5: library part RES-CONST, "100W RX24 Aluminum Power Metal Shell Case Wirewound Resistor 100Omh"
TP2 TP3 TP4 TP5 TP6 TP7 TP8 TP9 TP10 TP11 TP12 TP13 TP14 TP15 TP16 TP17 TP18 TP19 TP20 TP21: library part TP_PCB?, "Test_Point"
U15 U17: library part AMC1311
U24: library part LM2576D2T-005G
U26 U29 U30: library part AMS1117

## Via types
v1: diameter 0.9, hole 0.4, Top Layer 1 to Bottom Layer 1, 1203 vias
v2: diameter 1.27, hole 0.711, Top Layer 1 to Bottom Layer 1, tented both sides, 45 vias
v3: diameter 0.9, hole 0.4, Top Layer 1 to Bottom Layer 1, tented both sides, 41 vias
v4: diameter 0.7, hole 0.3, Top Layer 1 to Bottom Layer 1, tented both sides, 23 vias
v5: diameter 0.8, hole 0.3, Top Layer 1 to Bottom Layer 1, tented both sides, 2 vias

## Nets (pads, with @x,y where several pads share a name; then routed paths per layer and width w, separated by ;. In a path a pad name is that pad's centre, name@x,y a point inside that pad or via, vN(x,y) a via of type N, cw(c..) or ccw(c..) an arc to the next point about the centre after c; other vN are vias at no path point)
+3V3: C40.2 C41.2 C44.2 C45.2 C86.2 C89.1 C93.2 C94.2 R106.2 U8.20 U14.5 U15.8 U16.5 U17.8 U26.2 | length 192.7
  Top Layer 1 w0.5: v2(70.08,205.49) 70.227,205.638 70.227,206.002 C93.2@71,206.775 ; C93.2@71,206.8 C93.2@71,206.775 ; C94.2@71,208.325 C93.2@71,206.775 ; C94.2@71,208.35 71,209.332 71.293,209.625 U8.20@71.85,209.625
  Top Layer 1 w1: C89.1@28.9,178.5 28.975,178.425 v2(28.975,173.725) ; v3(60.775,187.95) 60.814,187.989 69.314,187.989 v3(69.325,188)
  Bottom Layer w1: v2(34.375,171.95) 39.675,171.95 44.74,166.885 v4(44.74,125.082) 47.94,121.882 v4(47.94,119.357) ; v4(48.06,197.526) 48.06,195.001 v4(51.26,191.801) 55.111,187.95 v3(60.775,187.95) ; v2@69.325,182.5 v3(69.325,188) 69.325,204.736 v2(70.08,205.49)
  Bottom Layer 1 w0.6: R106.2@24.525,173.625 C86.2@26.125,173.625 ; U17.8@47.005,113.908 47.005,114.508 47.94,115.443 v4(47.94,119.357) ; v4(48.06,197.526) 48.06,201.44 48.995,202.375 U15.8@48.995,202.975
  Bottom Layer 1 w0.8: U16.5@43.64,123.832 43.64,123.982 v4(44.74,125.082) ; v4(51.26,191.801) 52.36,192.901 U14.5@52.36,193.051
  Bottom Layer 1 w1: C86.2@26.225,173.725 27.25,173.725 v2(28.975,173.725) 29.048,173.725 29.122,173.799 U26.2@34.375,173.799 ; U26.2@34.375,167.699 v2(34.375,171.95) U26.2@34.375,173.799 ; v2@69.298,182.423 67.475,180.6 38,180.6 34.375,176.975 U26.2@34.375,173.799
  other v2: 69.35,182.475